# KiCad board Control Unit.kicad_pcb
title: Control Unit - CanSat 2023; date: 2023-01-18; company: Project SkyFall; note: David Haisman
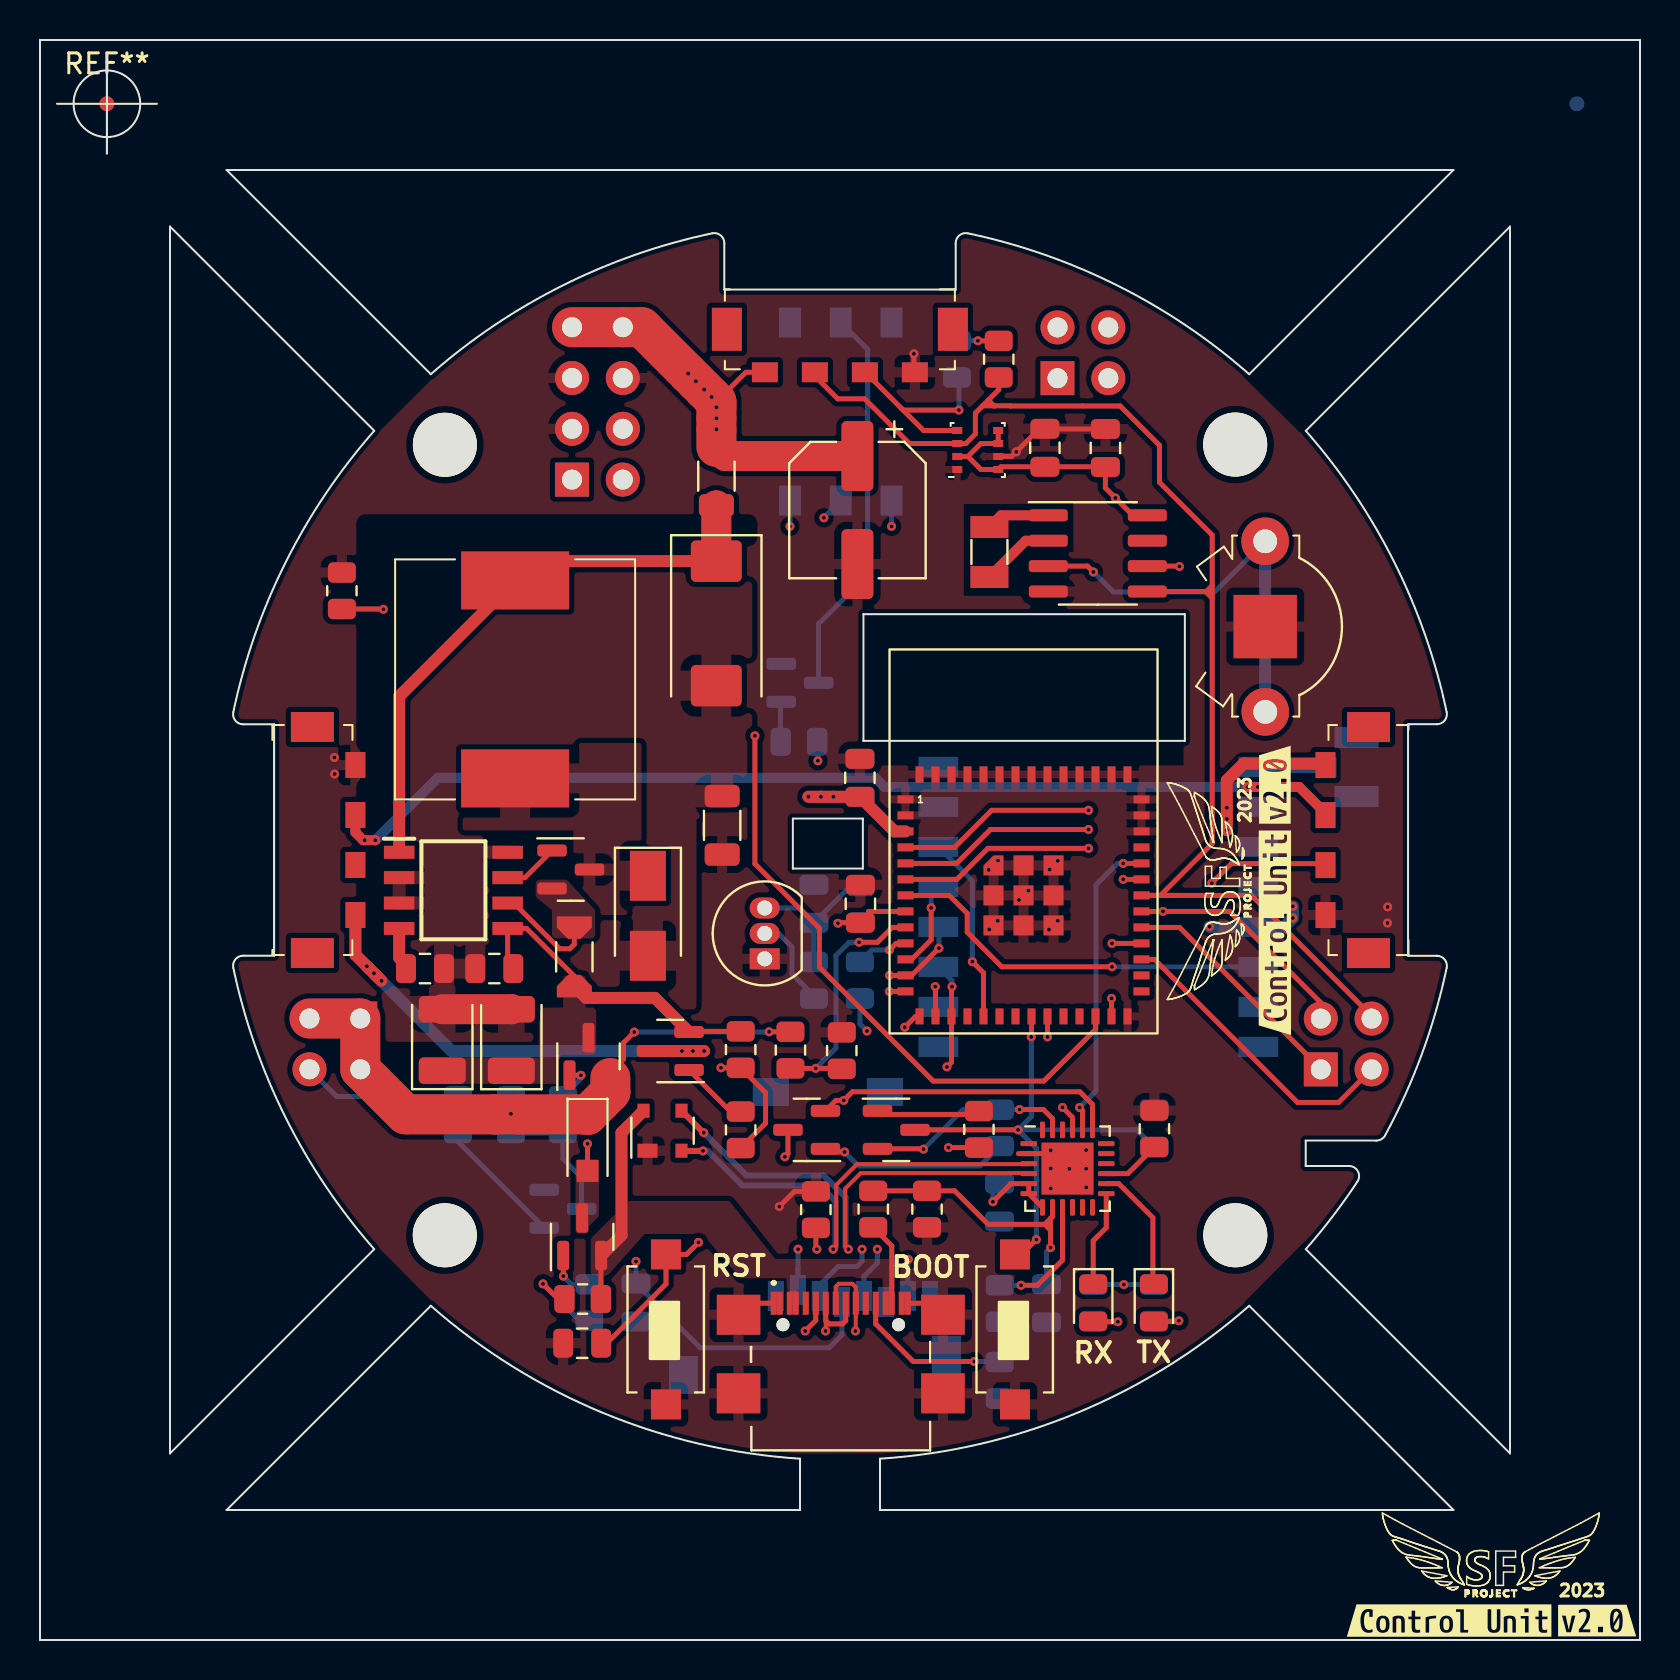
[diagram p0: board, top side]
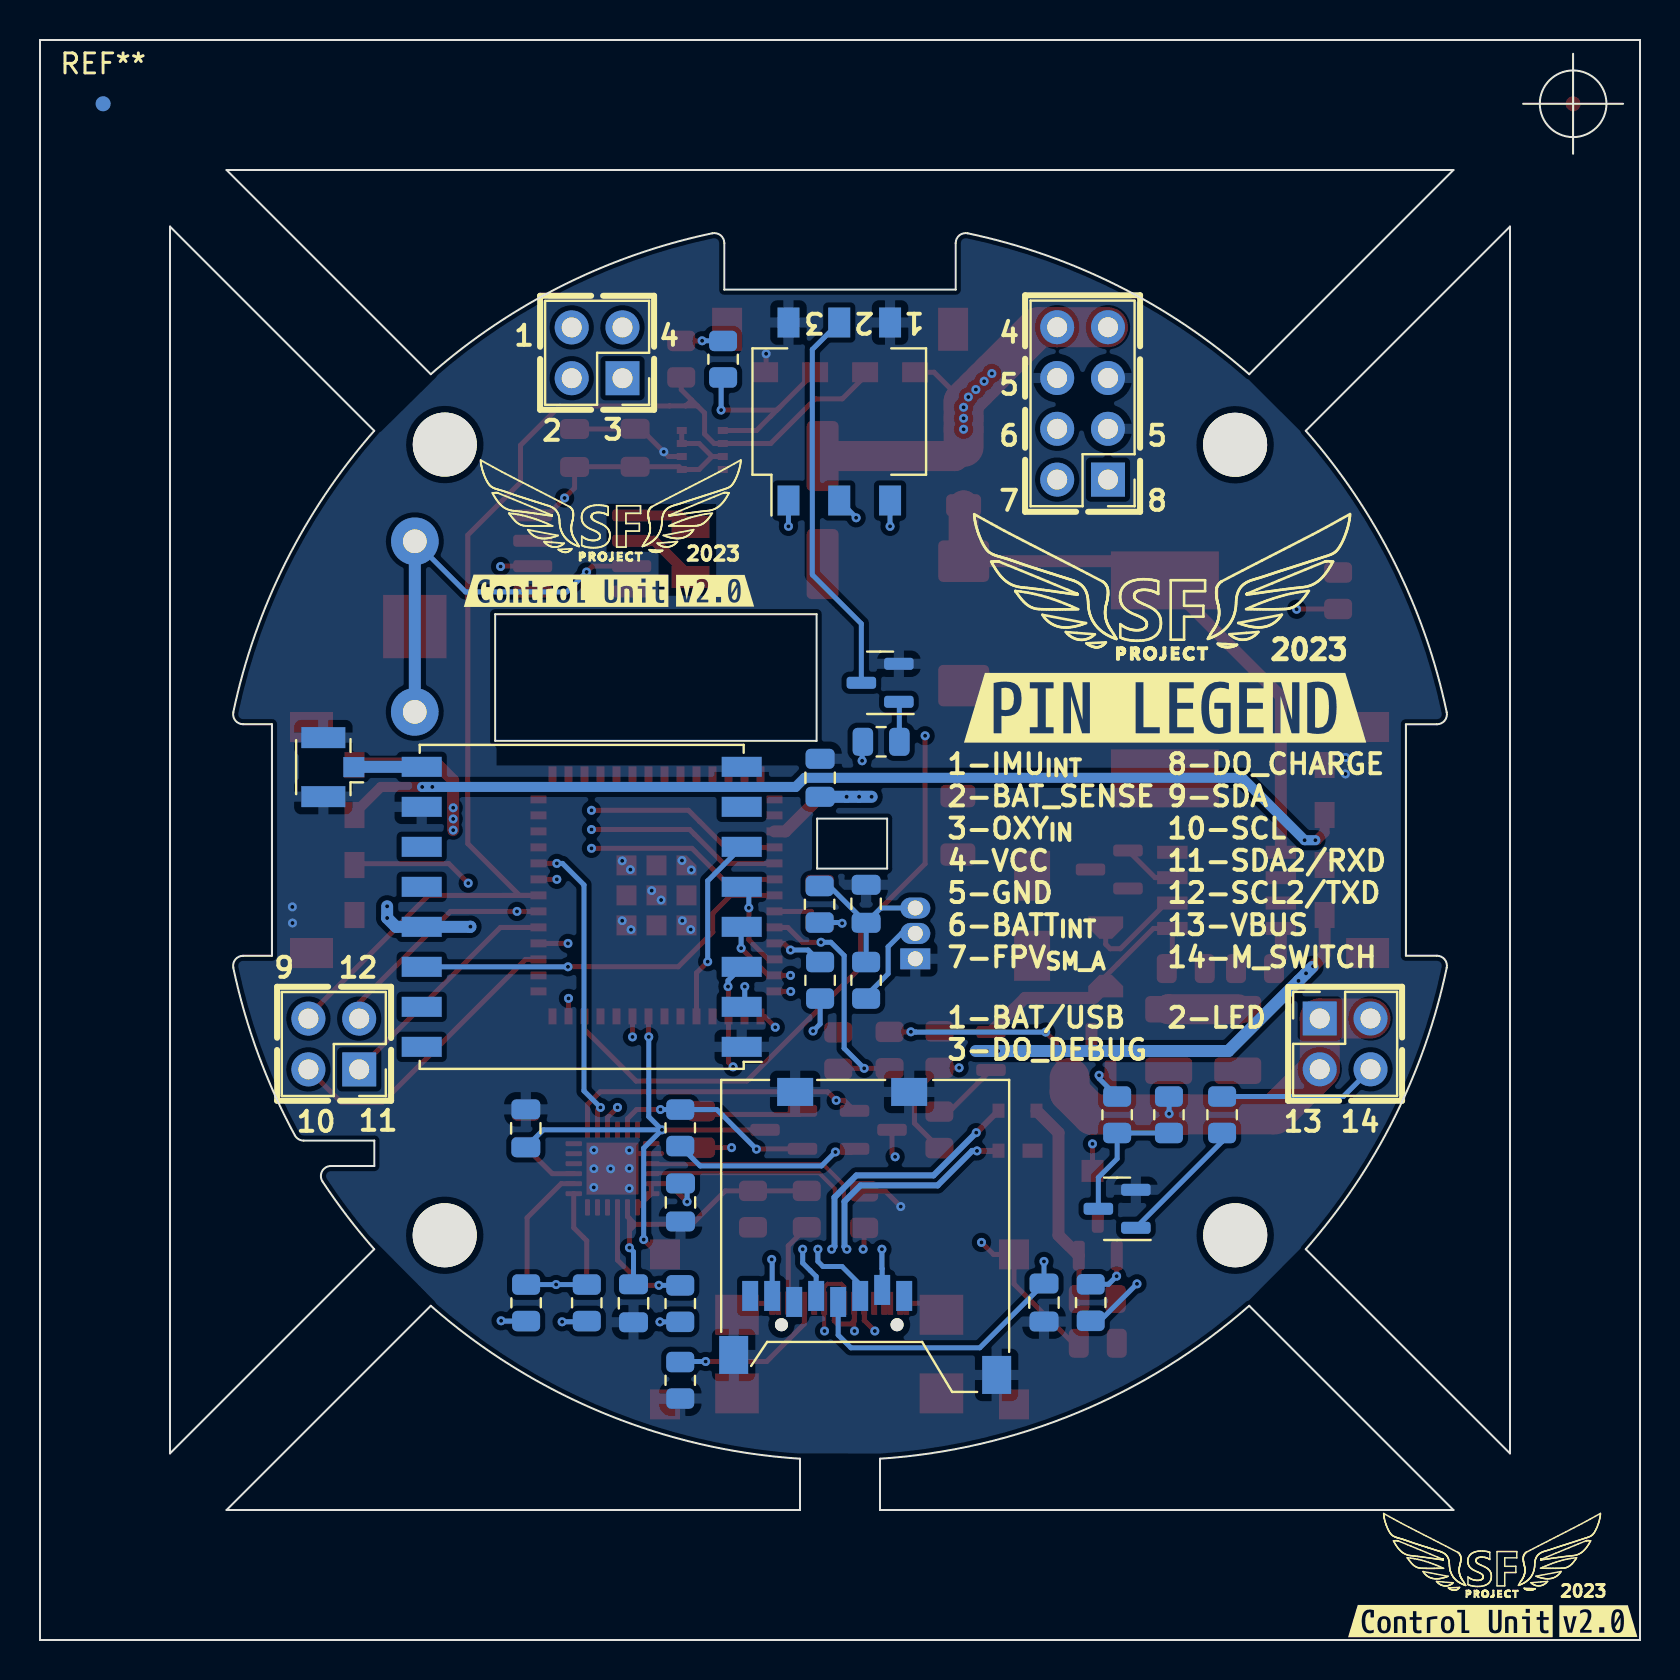
[diagram p1: board, bottom side, seen from below]

Outline 80 x 80 mm; copper layers: Top, In1.Cu, In2.Cu, Bottom. Coordinates in mm from the lower left corner of the outline.
Outline path: 0,80 80,80 80,0 0,0 0,80 ; 6.5,70.67 16.71,60.46 arc(12.28,53.88) 9.67,46.39 arc(9.77,45.97) 10.15,45.79 11.71,45.79 11.71,34.21 10.15,34.21 arc(9.77,34.03) 9.67,33.61 arc(12.28,26.12) 16.71,19.54 6.5,9.33 6.5,70.67 ; 9.33,73.5 70.67,73.5 60.46,63.29 arc(53.88,67.72) 46.39,70.33 arc(45.97,70.23) 45.79,69.85 45.79,67.52 34.21,67.52 34.21,69.85 arc(34.03,70.23) 33.61,70.33 arc(26.12,67.72) 19.54,63.29 9.33,73.5 ; 9.33,6.5 19.54,16.71 arc(28.14,11.36) 38,9.06 38,6.5 9.33,6.5 ; 37.64,41.07 41.14,41.07 41.14,38.57 37.64,38.57 37.64,41.07 ; 41.17,51.29 57.24,51.29 57.24,44.96 41.17,44.96 41.17,51.29 ; 42,6.5 42,9.06 arc(51.86,11.36) 60.46,16.71 70.67,6.5 42,6.5 ; 63.29,24.97 63.29,23.7 65.46,23.7 arc(65.9,23.44) 65.87,22.92 arc(64.64,21.19) 63.29,19.54 73.5,9.33 73.5,70.67 63.29,60.46 arc(67.72,53.88) 70.33,46.39 arc(70.23,45.97) 69.84,45.79 68.4,45.79 68.4,34.21 69.84,34.21 arc(70.23,34.03) 70.33,33.61 arc(69.1,29.31) 67.26,25.23 arc(67.07,25.04) 66.82,24.97 63.29,24.97
Stack: Top 0.035mm / dielectric 0.48mm FR4 er 4.5 / In1.Cu 0.035mm / dielectric 0.48mm FR4 er 4.5 / In2.Cu 0.035mm / dielectric 0.48mm FR4 er 4.5 / Bottom 0.035mm

## Placement (name value [footprint] x y rotation side)
AE401  Antenna_Shield  [U.FL_Hirose_U.FL-R-SMT-1_Vertical]  65.36 43.64 0 bottom
BT701  Backup battery  [2989]  61.26 50.67 270 top
C201  10uF  [C_0805_2012Metric]  47.98 21.88 270 bottom
C202  1uF  [C_0805_2012Metric]  50.32 16.84 270 bottom
C203  680uF  [CP_Elec_6.3x7.7]  40.87 56.5 270 top
C204  0.1uF  [C_0805_2012Metric]  55.71 25.58 270 bottom
C205  0.1uF  [C_0805_2012Metric]  27.11 14.84 0 top
C206  10uF  [C_0805_2012Metric]  40.99 43.11 90 top
C207  0.1uF  [C_0805_2012Metric]  40.99 43.11 90 bottom
C208  1uF  [C_0805_2012Metric]  41.02 36.81 90 top
C301  100nF  [C_0805_2012Metric]  53.27 59.6 90 top
C302  100nF  [C_0805_2012Metric]  50.24 59.61 90 top
C303  100nF  [C_0805_2012Metric]  38.69 36.81 90 bottom
C501  TPSB686K010R0600  [CP_EIA-3528-21_Kemet-B]  20.11 30 90 top
C502  TPSB686K010R0600  [CP_EIA-3528-21_Kemet-B]  23.57 30 90 top
C503  0.47uF  [C_0805_2012Metric]  22.71 33.57 180 top
C504  0.1uF  [C_0805_2012Metric]  19.25 33.57 0 top
C505  293D227X9010D2TE3  [CP_EIA-7343-31_Kemet-D]  33.82 50.83 270 top
C601  0.1uF  [C_0805_2012Metric]  29.8 16.87 90 bottom
D201  SBR3U40S1F-7  [D_SOD-123F]  27.38 24.85 270 top
D202  APT2012LSECK/J4-PRV  [LED_0805_2012Metric]  52.66 16.86 270 top
D203  APT2012LSECK/J4-PRV  [LED_0805_2012Metric]  55.69 16.86 270 top
D204  SP0503BAHT  [SOT-143]  31.13 25.46 90 top
D501  B330A  [D_SMA]  30.4 36.21 270 top
H201  MountingHole  [MountingHole_3.2mm_M3]  20.24 20.24 0 top
H202  MountingHole  [MountingHole_3.2mm_M3]  59.76 59.77 0 top
H203  MountingHole  [MountingHole_3.2mm_M3]  20.24 59.76 0 top
H204  MountingHole  [MountingHole_3.2mm_M3]  59.76 20.24 0 top
J101  Conn_02x04_Male  [PinHeader_2x04_P2.54mm_Vertical]  26.6 58.02 0 bottom
J102  Conn_02x02_Male  [PinHeader_2x02_P2.54mm_Vertical]  50.88 63.09 0 bottom
J103  Conn_02x02_Male  [PinHeader_2x02_P2.54mm_Vertical]  64.04 28.53 0 bottom
J104  Conn_02x02_Male  [PinHeader_2x02_P2.54mm_Vertical]  16.01 31.08 180 bottom
J105  -  [009155004541006]  13.62 40 270 top
J106  -  [009155004541006]  66.42 40 90 top
J107  -  [009155004541006]  39.99 65.54 180 top
J201  USB4110-GF-A  [USB4110GFA]  40.04 13.16 0 top
J601  Micro_SD_Card 823-046  [DS1139-05]  38.74 20.2 180 bottom
kibuzzard-63BEB0CF  G***  [kibuzzard-63BEB0CF]  70.46 0.97 0 top
kibuzzard-63BEB0CF#2  G***  [kibuzzard-63BEB0CF]  61.74 35.36 90 top
kibuzzard-63BEB0CF#3  G***  [kibuzzard-63BEB0CF]  53.69 52.46 180 bottom
kibuzzard-63BEB0CF#4  G***  [kibuzzard-63BEB0CF]  9.48 0.94 180 bottom
kibuzzard-63BEB9E1  G***  [kibuzzard-63BEB9E1]  23.74 46.61 180 bottom
kibuzzard-63BF2E93  G***  [kibuzzard-63BF2E93]  77.86 0.97 0 top
kibuzzard-63BF2EA1  G***  [kibuzzard-63BF2EA1]  2.08 0.94 180 bottom
kibuzzard-63BF2EAE  G***  [kibuzzard-63BF2EAE]  46.24 52.46 180 bottom
kibuzzard-63BF2EB7  G***  [kibuzzard-63BF2EB7]  61.74 42.76 90 top
L501  CDRH125NP-220MC  [CDRH125101MC]  23.76 48.03 180 top
Q201  SI2305CDS-T1-BE3  [SOT-23]  27.43 29.18 90 top
Q202  BC847  [SOT-23]  26.14 21.56 0 bottom
Q203  SI2305CDS-T1-BE3  [SOT-23]  27.11 20.16 90 top
Q204  BC847  [SOT-23]  37.99 47.86 0 bottom
Q205  BC847  [SOT-23]  38.34 25.51 180 top
Q206  BC847  [SOT-23]  42.81 25.51 0 top
Q207  SI2305CDS-T1-BE3  [SOT-23]  31.51 29.45 180 top
Q501  SI2305CDS-T1-BE3  [SOT-23]  26.54 38.52 0 top
R201  1k  [R_0805_2012Metric]  47.99 16.82 90 bottom
R202  22k1  [R_0805_2012Metric]  41.66 21.55 270 top
R203  100k  [R_0805_2012Metric]  23.55 26.26 270 bottom
R204  10k  [R_0805_2012Metric]  47.94 64.04 270 top
R205  10k  [R_0805_2012Metric]  45.84 64.04 270 bottom
R206  10k  [R_0805_2012Metric]  26.14 26.26 270 bottom
R207  47k5  [R_0805_2012Metric]  44.35 21.55 270 top
R208  27k  [R_0805_2012Metric]  37.52 29.5 90 top
R209  100k  [R_0805_2012Metric]  27.13 17.05 180 top
R210  10k  [R_0805_2012Metric]  27.46 16.87 90 bottom
R211  10k  [R_0805_2012Metric]  55.72 25.56 90 top
R212  47k  [R_0805_2012Metric]  40.09 29.47 90 top
R213  0R  [R_1206_3216Metric]  34.11 40.73 90 top
R214  100k  [R_0805_2012Metric]  20.89 26.26 270 bottom
R215  750R  [R_0805_2012Metric]  52.66 16.86 270 bottom
R216  750R  [R_0805_2012Metric]  55.69 16.86 270 bottom
R217  5k1  [R_0805_2012Metric]  15.09 52.46 90 top
R218  5k1  [R_0805_2012Metric]  47.99 12.99 270 bottom
R219  5k1  [R_0805_2012Metric]  38.79 21.52 90 top
R220  5k  [R_0805_2012Metric]  37.94 44.91 180 bottom
R221  100k  [R_0805_2012Metric]  35.03 29.52 270 top
R222  5k  [R_0805_2012Metric]  47.99 25.61 270 bottom
R223  10k  [R_0805_2012Metric]  35.03 25.51 270 top
R224  10k  [R_0805_2012Metric]  41.02 36.79 270 bottom
R225  5k  [R_0805_2012Metric]  46.95 25.53 90 top
R226  10k  [R_0805_2012Metric]  40.99 32.99 270 bottom
R301  4k7  [R_0805_2012Metric]  38.69 32.99 270 bottom
R501  PE1206FRE470R04L  [R_1206_Current]  26.72 34.15 90 top
R502  0R  [R_1206_3216Metric]  33.82 58.19 90 top
REF**  -  [Fiducial_0.75mm_Mask1.5mm]  3.34 76.81 0 top
REF**#2  -  [Fiducial_0.75mm_Mask1.5mm]  76.84 76.81 180 bottom
SW201  DS04-254-1-03BK-SMT  [SW_DIP_SPSTx03_Slide_Omron_A6S-310x_W8.9mm_P2.54mm]  40.04 61.42 90 bottom
SW202  LaskaKit tlačítko  [Tlačítko SMD LaskaKit]  48.67 15.48 90 top
SW203  LaskaKit tlačítko  [Tlačítko SMD LaskaKit]  31.22 15.48 90 top
U201  CP2102N-Axx-xQFN24  [QFN-24-1EP_4x4mm_P0.5mm_EP2.6x2.6mm]  51.38 23.57 0 top
U202  -  [ESP32-MINI-1]  49.18 37.23 0 top
U301  DS18B20  [TO-92_Inline]  36.24 34.06 90 top
U302  BME280  [Bosch_LGA-8_2.5x2.5mm_P0.65mm_ClockwisePinNumbering]  46.89 59.5 90 top
U401  RFM96W-433S2  [HOPERF_RFM9XW_SMD]  52.92 36.66 0 bottom
U501  MAX1626ESA+T  [SOIC127P600X175-8N]  20.67 37.48 0 top
U701  PT7C4339  [SOIC-8-1EP_3.9x4.9mm_P1.27mm_EP2.29x3mm]  52.89 54.33 0 top
Y701  ECS-.327-6-34B-C-TR  [ECX-31B]  47.47 54.4 90 top

## Library data of the parts
C501 C502 = -: Description: AVX Electrolytic Capacitor 68F 10V dc Electrolytic Solid +/-10% Tolerance TPS Series; Height: 2.1; Manufacturer_Name: AVX; Mouser Part Number: 581-TPSB686K010R0600; Mouser Price/Stock: https://www.mouser.com/Search/Refine.aspx?Keyword=581-TPSB686K010R0600
C505 = -: Description: Solid Tantalum Surface Mount Chip Capacitors TANTAMOUNT(TM), Molded Case, Standard Industrial Grade; Height: 3.1; Manufacturer_Name: Vishay; Mouser Part Number: 74-293D227X9010D2TE3; Mouser Price/Stock: https://www.mouser.co.uk/ProductDetail/Vishay-Sprague/293D227X9010D2TE3?qs=CH3Q5FKf4qDv8K%252BjTwpIww%3D%3D
D202 = -: Direction: RX
D203 = -: Direction: TX
D204 = -: Mouser: https://eu.mouser.com/ProductDetail/Littelfuse/SP0503BAHTG?qs=uD%2FdkN7XIa0NTYXwHdELYA%3D%3D
J601 = -: Shop: https://www.gme.cz/patice-pro-pametovou-kartu-slot-microsd-push-push
L501 = -: Description: Fixed Inductors 22uH 2.80A 0.028ohms; Height: 6; Manufacturer_Name: Sumida; Mouser Part Number: 851-CDRH125NP-220MC; Mouser Price/Stock: https://www.mouser.co.uk/ProductDetail/Sumida/CDRH125NP-220MC?qs=yEEOfDmvQDX7sNyZ0f3HJA%3D%3D
R218 R219 = -: Shop: https://cz.mouser.com/ProductDetail/Panasonic/ERJ-UP3J512V?qs=sGAEpiMZZMtlubZbdhIBINZyO39%252BOXIfV3FRTeBOQ5s%3D
SW201 = -: Shop: https://cz.mouser.com/ProductDetail/CUI-Devices/DS04-254-1-03BK-SMT?qs=wnTfsH77Xs6AM9RonXx4xg%3D%3D
SW202 SW203 = -: Shop: https://www.gme.cz/p-ts1107gs
U501 = -: Description: MAXIM INTEGRATED PRODUCTS - MAX1626ESA+T - DC/DC Controller, Buck (Step Down), 3 V to 16.5 V, 1 Output, 300kHz PWM Switching, NSOIC-8; EV_kit: https://datasheets.maximintegrated.com/en/ds/MAX1626EVKIT.pdf; Height: 1.75; Manufacturer_Name: Maxim Integrated; Mouser Part Number: 700-MAX1626ESAT; Mouser Price/Stock: https://www.mouser.co.uk/ProductDetail/Maxim-Integrated/MAX1626ESA%2bT/?qs=Mqkh4jHMT8ylHTywJFaQhw%3D%3D
U701 = -: Field4: RTC

## Footprints (pads in the part's own frame, mm; a bottom-side part is the same pattern mirrored in y, then rotated)
2989
  round 2.38 hole 1.19: 1(-4.265,-0.003) 1(4.265,0.003)
  rect 3.17x3.17 smd: 2(0,0)
009155004541006
  rect 1.3x1 smd: 1(-3.75,2.15) 2(-1.25,2.15) 3(1.25,2.15) 4(3.75,2.15)
  rect 1.5x2.15 smd: MP1(-5.65,0) MP2(5.65,0)
Bosch_LGA-8_2.5x2.5mm_P0.65mm_ClockwisePinNumbering
  rect 0.35x0.5 smd: 1(-0.975,1.025) 2(-0.325,1.025) 3(0.325,1.025) 4(0.975,1.025) 5(0.975,-1.025) 6(0.325,-1.025) 7(-0.325,-1.025) 8(-0.975,-1.025)
C_0805_2012Metric
  rrect 1x1.45 smd: 1(-0.95,0) 2(0.95,0)
CDRH125101MC
  rect 5.4x2.9 smd: 1(0,4.95) 2(0,-4.95)
CP_EIA-3528-21_Kemet-B
  rrect 1.325x2.35 smd: 1(-1.538,0) 2(1.538,0)
CP_EIA-7343-31_Kemet-D
  rrect 2.075x2.55 smd: 1(-3.112,0) 2(3.112,0)
CP_Elec_6.3x7.7
  rrect 3.5x1.6 smd: 1(-2.7,0) 2(2.7,0)
D_SMA
  rect 2.5x1.8 smd: 1(-2,0) 2(2,0)
D_SOD-123F
  rect 1.1x1.1 smd: 1(-1.4,0) 2(1.4,0)
DS1139-05
  rect 0.8x1.5 smd: 1(1.95,-3) 2(0.85,-2.7) 3(-0.25,-3) 4(-1.35,-3.3) 5(-2.45,-3) 6(-3.55,-3.3) 7(-4.65,-3) 8(-5.75,-3)
  rect 1.45x1.9 smd: 9(-6.575,-5.95) 9(6.575,-6.95)
  rect 1.8x1.4 smd: 9(-3.5,7.2) 9(2.2,7.2)
ECX-31B
  rect 1.1x1.9 smd: 1(-1.25,0) 2(1.25,0)
ESP32-MINI-1
  rect 0.8x0.4 smd: 1(-5.9,4.8) 2(-5.9,4) 3(-5.9,3.2) 4(-5.9,2.4) 5(-5.9,1.6) 6(-5.9,0.8) 7(-5.9,0) 8(-5.9,-0.8) 9(-5.9,-1.6) 10(-5.9,-2.4) 11(-5.9,-3.2) 12(-5.9,-4) 13(-5.9,-4.8) 28(5.9,-4.8) 29(5.9,-4) 30(5.9,-3.2) 31(5.9,-2.4) 32(5.9,-1.6) 33(5.9,-0.8) 34(5.9,0) 35(5.9,0.8) 36(5.9,1.6) 37(5.9,2.4) 38(5.9,3.2) 39(5.9,4) 40(5.9,4.8)
  rect 0.4x0.8 smd: 14(-5.2,-6.05) 15(-4.4,-6.05) 16(-3.6,-6.05) 17(-2.8,-6.05) 18(-2,-6.05) 19(-1.2,-6.05) 20(-0.4,-6.05) 21(0.4,-6.05) 22(1.2,-6.05) 23(2,-6.05) 24(2.8,-6.05) 25(3.6,-6.05) 26(4.4,-6.05) 27(5.2,-6.05) 41(5.2,6.05) 42(4.4,6.05) 43(3.6,6.05) 44(2.8,6.05) 45(2,6.05) 46(1.2,6.05) 47(0.4,6.05) 48(-0.4,6.05) 49(-1.2,6.05) 50(-2,6.05) 51(-2.8,6.05) 52(-3.6,6.05) 53(-4.4,6.05) 54(-5.2,6.05)
  rrect 1x1 smd: 55(-1.5,1.5)
  rect 1x1 smd: 55(-1.5,0) 55(-1.5,-1.5) 55(0,1.5) 55(0,0) 55(0,-1.5) 55(1.5,1.5) 55(1.5,0) 55(1.5,-1.5)
Fiducial_0.75mm_Mask1.5mm
  round 0.75 smd: (0,0)
HOPERF_RFM9XW_SMD
  rect 2x1 smd: 1(-8,7) 2(-8,5) 3(-8,3) 4(-8,1) 5(-8,-1) 6(-8,-3) 7(-8,-5) 8(-8,-7) 9(8,-7) 10(8,-5) 11(8,-3) 12(8,-1) 13(8,1) 14(8,3) 15(8,5) 16(8,7)
LED_0805_2012Metric
  rrect 0.975x1.4 smd: 1(-0.938,0) 2(0.938,0)
MountingHole_3.2mm_M3
  round 3.2 hole 3.2 unplated: (0,0)
PinHeader_2x02_P2.54mm_Vertical
  rect 1.7x1.7 hole 1: 1(0,0)
  oval 1.7x1.7 hole 1: 2(2.54,0) 3(0,-2.54) 4(2.54,-2.54)
PinHeader_2x04_P2.54mm_Vertical
  rect 1.7x1.7 hole 1: 1(0,0)
  oval 1.7x1.7 hole 1: 2(2.54,0) 3(0,-2.54) 4(2.54,-2.54) 5(0,-5.08) 6(2.54,-5.08) 7(0,-7.62) 8(2.54,-7.62)
QFN-24-1EP_4x4mm_P0.5mm_EP2.6x2.6mm
  rrect 1.05x1.05 smd: (-0.65,0.65) (-0.65,-0.65) (0.65,0.65) (0.65,-0.65)
  rrect 0.825x0.25 smd: 1(-1.938,1.25) 2(-1.938,0.75) 3(-1.938,0.25) 4(-1.938,-0.25) 5(-1.938,-0.75) 6(-1.938,-1.25) 13(1.938,-1.25) 14(1.938,-0.75) 15(1.938,-0.25) 16(1.938,0.25) 17(1.938,0.75) 18(1.938,1.25)
  rrect 0.25x0.825 smd: 7(-1.25,-1.938) 8(-0.75,-1.938) 9(-0.25,-1.938) 10(0.25,-1.938) 11(0.75,-1.938) 12(1.25,-1.938) 19(1.25,1.938) 20(0.75,1.938) 21(0.25,1.938) 22(-0.25,1.938) 23(-0.75,1.938) 24(-1.25,1.938)
  rect 2.6x2.6 smd: 25(0,0)
R_0805_2012Metric
  rrect 1.025x1.4 smd: 1(-0.912,0) 2(0.912,0)
R_1206_3216Metric
  rrect 1.125x1.75 smd: 1(-1.462,0) 2(1.462,0)
R_1206_Current
  rrect 1.125x1.75 smd: 1(-1.462,0) 2(1.462,0)
SOIC127P600X175-8N
  rect 1.525x0.65 smd: 1(-2.712,1.905) 2(-2.712,0.635) 3(-2.712,-0.635) 4(-2.712,-1.905) 5(2.712,-1.905) 6(2.712,-0.635) 7(2.712,0.635) 8(2.712,1.905)
SOIC-8-1EP_3.9x4.9mm_P1.27mm_EP2.29x3mm
  rrect 1.95x0.6 smd: 1(-2.475,1.905) 2(-2.475,0.635) 3(-2.475,-0.635) 4(-2.475,-1.905) 5(2.475,-1.905) 6(2.475,-0.635) 7(2.475,0.635) 8(2.475,1.905)
SOT-23
  rrect 1.475x0.6 smd: 1(-0.938,0.95) 2(-0.938,-0.95) 3(0.938,0)
SOT-143
  rect 0.7x1 smd: 1(-1,0.75)
  rect 0.7x0.6 smd: 2(-1,-0.95) 3(1,-0.95) 4(1,0.95)
SW_DIP_SPSTx03_Slide_Omron_A6S-310x_W8.9mm_P2.54mm
  rect 1.5x1.1 smd: 1(-4.45,2.54) 2(-4.45,0) 3(-4.45,-2.54) 4(4.45,-2.54) 5(4.45,0) 6(4.45,2.54)
Tlačítko SMD LaskaKit
  rect 1.5x1.5 smd: 1(-3.7,-0.075) 2(3.8,-0.075)
TO-92_Inline
  rect 1.05x1.5 hole 0.75: 1(0,0)
  oval 1.05x1.5 hole 0.75: 2(1.27,0) 3(2.54,0)
U.FL_Hirose_U.FL-R-SMT-1_Vertical
  rect 1.05x1 smd: 1(-1.05,0)
  rect 2.2x1.05 smd: 2(0.475,-1.475) 2(0.475,1.475)
USB4110GFA
  round 0.65 hole 0.65 unplated: (-2.89,2.603) (2.89,2.603)
  rect 0.3x1.15 smd: A1(-3.35,3.678) A4(-2.55,3.678) A5(-1.25,3.678) A6(-0.25,3.678) A7(0.25,3.678) A8(1.25,3.678) A9(2.55,3.678) A12(3.35,3.678) B1(3.05,3.678) B4(2.25,3.678) B5(1.75,3.678) B6(0.75,3.678) B7(-0.75,3.678) B8(-1.75,3.678) B9(-2.25,3.678) B12(-3.05,3.678)
  rect 2.18x2 smd: S1(-5.11,3.103) S1(-5.11,-0.827) S1(5.11,3.103) S1(5.11,-0.827)

## Nets
/Control Unit/3v3 power supply1/GND_{3V3}: C501.2 C502.2 C503.2 C504.2 C505.2 D501.2 R213.2 U501.2 U501.3 U501.8
/Control Unit/GND: AE401.2 BT701.2 C201.2 C202.2 C203.2 C204.1 C205.1 C206.2 C207.2 C208.2 C301.2 C302.2 C303.2 C601.1 D204.1 J101.3 J101.5 J101.6 J105.1 J106.1 J107.1 J201.A1 J201.A12 J201.B1 J201.B12 J201.S1 J601.6 J601.9 Q202.2 Q204.2 R207.2 R211.2 R212.2 R213.1 R217.2 R218.2 R219.2 SW201.4 SW201.6 SW202.1 SW203.1 U201.2 U201.25 U202.1 U202.2 U202.27 U202.38 U202.39 U202.40 U202.41 U202.42 U202.43 U202.44 U202.45 U202.46 U202.47 U202.48 U202.49 U202.50 U202.51 U202.52 U202.53 U202.54 U202.55 U301.1 U302.1 U302.7 U401.1 U401.8 U401.10 U701.4
/Control Unit/VBUS: D201.1 J104.1 J104.2 J104.3 Q201.2 R203.1 R208.2
/Control Unit/VCC: C201.1 C203.1 C206.1 C207.1 C301.1 C302.1 C303.1 C601.2 J101.7 J101.8 J102.3 J107.4 J601.4 R201.1 R204.1 R205.1 R215.1 R216.1 R224.1 R226.2 R301.1 R502.2 U201.5 U201.6 U201.7 U202.3 U301.3 U302.2 U302.5 U302.6 U302.8 U401.13 U701.8
/Control Unit/VCC_5V: C501.1 C502.1 C503.1 Q201.3 Q207.2 R221.1 R501.1 U501.5
/Control Unit/VCC_{LEDPAN}: J105.4 J106.4 Q207.3
/Control Unit/3v3 power supply1/CS: Q501.2 R501.2 U501.6
/Control Unit/3v3 power supply1/L_MOSSFET: D501.1 L501.1 Q501.3
/Control Unit/BAT-USB: R209.2 R210.1 SW201.3
/Control Unit/BAT_SENSE: J102.2 U202.5
/Control Unit/BATT_INT: J101.4 U202.13
/Control Unit/CS_{SD}: J601.2 U202.14
/Control Unit/D+: D204.2 J201.A6 J201.B6 U201.3
/Control Unit/D-: D204.3 J201.A7 J201.B7 U201.4
/Control Unit/DIO0_{LORA}: U202.7 U401.14
/Control Unit/DO_DEBUG: R226.1 SW201.1 U202.10
/Control Unit/DQ: R301.2 U202.22 U301.2
/Control Unit/ESP_RST: C205.2 C208.1 Q205.3 R224.2 SW203.2 U202.8
/Control Unit/FPV_{SM_A}: J101.2 U202.25
/Control Unit/IMU_{INT}: J102.4 U202.6
/Control Unit/IO0: C204.2 Q206.3 SW202.2 U202.21
/Control Unit/IS_USB: D204.4 J201.A4 J201.A9 J201.B4 J201.B9 Q203.2 R202.2 R209.1
/Control Unit/IS_USB_CHARGE: D201.2 J101.1 Q203.3 R217.1
/Control Unit/LED_DATA: J106.2 U202.26
/Control Unit/LEDPAN_TRANS_{C}: Q204.3 SW201.5
/Control Unit/M_SWITCH: J104.4 R214.1
/Control Unit/MISO: J601.7 U202.15 U401.2
/Control Unit/MOSI: J601.3 U202.16 U401.3
/Control Unit/NSS_{LORA}: U202.11 U401.5
/Control Unit/OXY_{IN}: J102.1 U202.4
/Control Unit/POWER_INT: R208.1 R212.1 U202.9
/Control Unit/RESET_{LORA}: U202.18 U401.6
/Control Unit/RXD: U201.20 U202.36
/Control Unit/SCK: J601.5 U202.12 U401.4
/Control Unit/SCL: J103.3 J107.2 R205.2 U202.33 U302.4 U701.6
/Control Unit/SCL_{2}/TXD: J103.2 U202.30
/Control Unit/SDA: J103.4 J107.3 R204.2 U202.34 U302.3 U701.5
/Control Unit/SDA_{2}/RXD: J103.1 U202.32
/Control Unit/SW_LEDPAN: R221.2 R223.2 SW201.2
/Control Unit/TRANS_LEDPAN: R220.1 U202.31
/Control Unit/TXD: U201.21 U202.35
/Control Unit/~{DTR}: Q206.2 R222.1 U201.23
/Control Unit/~{RTS}: Q205.2 R225.1 U201.19
Net-(AE401-Pad1): AE401.1 U401.9
Net-(BT701-Pad1): BT701.1 U701.3
Net-(C202-Pad1): C202.1 R202.1 R207.1 U201.8
Net-(C504-Pad1): C504.1 U501.4
Net-(C505-Pad1): C505.1 L501.2 R502.1 U501.1
Net-(D202-Pad1): D202.1 U201.13
Net-(D202-Pad2): D202.2 R215.2
Net-(D203-Pad1): D203.1 U201.14
Net-(D203-Pad2): D203.2 R216.2
Net-(J105-Pad2): J105.2 J106.3
Net-(J201-PadA5): J201.A5 R219.1
Net-(J201-PadB5): J201.B5 R218.1
Net-(Q201-Pad1): Q201.1 R206.1
Net-(Q202-Pad1): Q202.1 R214.2
Net-(Q202-Pad3): Q202.3 R203.2 R206.2
Net-(Q203-Pad1): Q203.1 R210.2
Net-(Q204-Pad1): Q204.1 R220.2
Net-(Q205-Pad1): Q205.1 R222.2
Net-(Q206-Pad1): Q206.1 R225.2
Net-(Q207-Pad1): Q207.1 R223.1
Net-(Q501-Pad1): Q501.1 U501.7
Net-(R201-Pad2): R201.2 U201.9
Net-(R211-Pad1): R211.1 U201.15
Net-(U701-Pad1): U701.1 Y701.2
Net-(U701-Pad2): U701.2 Y701.1

Pads without a net: J105 3 MP1 MP2; J106 MP1 MP2; J107 MP1 MP2; J201 A8 B8; J601 1 8; U201 1 10 11 12 16 17 18 22 24; U202 17 19 20 23 24 28 29 37; U401 7 11 12 15 16; U701 7

## Via types
v1: diameter 0.45, hole 0.2, Top to Bottom, 127 vias

## Routing (per net, layer and track width the routed paths; a pad name or vN(x,y) marks a point on that pad's centre or on a via; arc(x,y) is an arc through that point)
/Control Unit/3v3 power supply1/GND_{3V3}: length 3.5
  Top w1.5: C501.2 C502.2
/Control Unit/GND: length 14.5
  Top w0.25: J201.A1 35.5,16.84 J201.S1 ; U302.7 48.58,59.18 v1(48.81,59.41) 49.96,60.56 C302.2 ; v1(36.96,21.67) 37.72,22.43 R219.2 ; v1(43.69,64.31) 43.69,63.44 J107.1 ; 50.11,24.32 48.92,24.32 ; C301.2 49.95,60.55 ; J201.S1 44.57,16.84 J201.A12
  vias: v1(14.72,44.13) v1(14.73,43.3) v1(47.44,38.5) v1(47.46,35.52) v1(47.9,38.97) v1(47.89,35.96) v1(48.95,37) v1(49.42,37.47) v1(50.48,38.52) v1(50.45,35.52) v1(50.54,24.48) v1(50.54,23.58) v1(50.54,22.58) v1(50.89,38.96) v1(50.89,35.96) v1(51.47,23.56) v1(52.31,24.49) v1(52.31,23.56) v1(52.31,22.63) v1(67.38,36.65) v1(67.38,35.85)
/Control Unit/VBUS: length 30.9
  Top w0.25: Q201.2 29.18,29.04 29.18,29.86 v1(29.71,30.4) ; R208.2 37.52,30.41 v1(36.46,30.41)
  Top w2: 28.52,28.1 28.52,27.4 D201.1 27.35,26.28 18.43,26.28 ; J104.2 J104.1 J104.3 18.27,26.28
  Bottom w0.25: v1(29.71,30.4) 36.44,30.4 v1(36.46,30.41) ; v1(23.54,26.31) 23.54,27.17 R203.1
/Control Unit/VCC: length 83.3
  Top w0.25: R204.1 46.9,64.95 v1(46.89,64.96) ; J107.4 35.3,63.39 33.82,61.91 ; U302.5 U302.6 47.05,59.83 46.4,59.18 ; 46.4,59.18 U302.2 ; 46.4,59.18 47.05,58.53 U302.8 48.05,58.66 C302.1 53.26,58.66 C301.1 53.27,57.6 v1(53.77,57.1) 54.64,56.23 U701.8 ; v1(47.65,21.91) 48.55,22.82 U201.5 U201.6 U201.7
  Top w0.6: v1(38.42,42.16) v1(39.04,42.16) C206.1 42.73,40.43 U202.3
  Top w1.5: R502.2 34.28,59.2 C203.1
  Top w2: R502.2 v1(33.82,60.54) v1(33.82,61.09) v1(33.82,61.64) 33.82,61.91 v1(33.58,62.15) v1(33.21,62.52) v1(32.79,62.94) v1(32.41,63.32) 30.09,65.64 J101.8 J101.7
  Bottom w0.25: v1(47.65,21.91) 47.65,22.5 C201.1 ; R224.1 40.53,37.7 C303.1 ; v1(41.35,30.45) 40.99,30.8 R226.2 ; v1(29.8,18.93) C601.2 33.01,14.61 39.45,14.61 40.09,15.25 J601.4 ; R216.1 v1(54.19,17.77) R215.1 ; U301.3 37.96,36.6 C303.1 ; R301.1 C303.1 ; R205.1 45.85,64.96 v1(46.89,64.96) ; R201.1 47.99,15.91 v1(49,15.91)
  Bottom w0.6: v1(62.64,36.68) v1(62.64,36.1) 62.2,35.66 U401.13 58.49,35.66 v1(58.48,35.67) ; C206.1 v1(39.67,42.16) v1(39.04,42.16) v1(38.42,42.16)
/Control Unit/VCC_5V: length 16.2
  Top w0.25: R501.1 26.72,33.19 24.33,35.58 U501.5 23.38,33.85 C503.1 ; Q207.2 32.48,30.43 R221.1
  Top w0.6: Q207.2 30.75,32.1 27.3,32.1 R501.1
/Control Unit/VCC_{LEDPAN}: length 72
  Top w0.6: v1(33.21,29.45) v1(32.64,29.45) v1(32.09,29.45) Q207.3 ; v1(59.34,40.49) v1(59.34,41.05) v1(59.34,41.61) 59.34,42.98 60.18,43.82 64.2,43.82 J106.4 ; 17.06,32.97 v1(16.35,33.68) 15.77,34.26 J105.4
  In1.Cu w0.6: v1(59.34,41.61) v1(59.34,40.49) 59.34,32.24 54.84,27.74 38.41,27.74 36.7,29.45 v1(33.21,29.45) v1(32.64,29.45) v1(32.09,29.45)
  Bottom w0.6: 16.38,33.65 v1(16.7,33.33) v1(17.07,32.96) 20.58,29.45 v1(32.09,29.45) v1(32.64,29.45) v1(33.21,29.45)
/Control Unit/3v3 power supply1/CS: length 5.2
  Top w0.25: R501.2 26.72,34.79 26.49,34.56 25.98,34.56 23.69,36.85 U501.6
/Control Unit/BAT-USB: length 48.7
  Top w0.25: v1(25.15,17.81) 25.91,17.05 R209.2
  In2.Cu w0.25: v1(25.15,17.81) 25.15,21.19 31.5,27.55 31.5,38.72 37.5,44.71 v1(37.5,55.68)
  Bottom w0.25: v1(25.15,17.81) 27,15.96 R210.1 ; v1(37.5,55.68) SW201.3
/Control Unit/BAT_SENSE: length 39.3
  Top w0.25: U202.5 45.83,38.83 47.52,40.52 v1(52.43,40.52)
  In2.Cu w0.25: v1(52.43,40.52) 56.22,40.52 58.56,42.86 58.56,54.46 53.42,59.6 J102.2
/Control Unit/BATT_INT: length 36.8
  Top w0.25: v1(42.46,32.43) 42.47,32.43 U202.13
  In1.Cu w0.25: J101.4 30.6,60.56 36.72,54.44 36.72,38.41 38.12,37.01 38.12,34.28 39.98,32.43 v1(42.46,32.43)
/Control Unit/CS_{SD}: length 16.3
  Top w0.25: U202.14 43.78,31.18 v1(43.24,30.64)
  In2.Cu w0.25: v1(43.24,30.64) 43.24,29.06 37.9,23.73 v1(37.9,19.54)
  Bottom w0.25: J601.2 37.89,18.56 37.9,18.57 v1(37.9,19.54)
/Control Unit/D+: length 33.1
  Top w0.2: 39.79,16.97 39.79,17.66 39.94,17.81 40.62,17.81 40.79,17.65 40.79,15.46 v1(40.77,15.45) ; U201.3 49.41,23.79 40.85,23.79 39.81,22.76 39.81,19.69 v1(39.66,19.54)
  Top w0.3: v1(33.15,24.45) 32.09,24.45 D204.2
  In1.Cu w0.2: v1(40.77,15.45) 39.66,16.57 v1(39.66,19.54)
  Bottom w0.3: v1(33.15,24.45) 33.39,24.45 35.12,22.73 38.97,22.73 39.78,21.93 39.78,19.66 v1(39.66,19.54)
/Control Unit/D-: length 34.2
  Top w0.2: v1(39.28,15.45) 39.29,15.46 39.29,16.97 ; U201.4 49.41,23.34 41.04,23.34 40.26,22.57 40.26,19.69 v1(40.42,19.54)
  Top w0.25: J201.B7 39.29,15.96 39.45,15.8 40.13,15.8 40.29,15.96 J201.A7
  Top w0.3: 33.15,25.39 D204.3
  In2.Cu w0.2: v1(40.42,19.54) 40.42,16.59 v1(39.28,15.45)
  Bottom w0.3: v1(40.42,19.54) 40.28,19.68 40.28,22.13 39.18,23.23 35.33,23.23 v1(33.19,25.37)
/Control Unit/DIO0_{LORA}: length 19.7
  Top w0.25: v1(53.6,33.66) 48.09,33.66 46.36,35.39 46.36,36.33 45.46,37.23 U202.7
  Bottom w0.25: U401.14 53.6,33.66 v1(53.6,33.66)
/Control Unit/DO_DEBUG: length 26.6
  Top w0.25: U202.10 42.81,34.83 v1(42.48,34.5)
  In2.Cu w0.25: v1(42.58,55.68) 40.77,53.88 40.77,43.29 42.48,41.59 v1(42.48,34.5)
  Bottom w0.25: v1(42.48,34.5) 41.59,34.5 R226.1 ; v1(42.58,55.68) SW201.1
/Control Unit/DQ: length 23
  Top w0.25: v1(50.38,30.15) U202.22
  In1.Cu w0.25: U301.2 36.89,35.33 37.68,34.54 37.68,33.51 39.63,31.55 49.64,31.55 50.38,30.82 v1(50.38,30.15)
  Bottom w0.25: R301.2 38.69,32.21 37.59,33.31 37.59,34.66 36.93,35.33 U301.2
/Control Unit/ESP_RST: length 32.2
  Top w0.25: v1(39.89,35.84) 39.92,35.86 C208.1 ; U202.8 41.44,36.43 41.43,36.42 ; C205.2 28.34,14.84 31.3,17.8 SW203.2 32.33,19.28 v1(32.93,19.88) ; Q205.3 37.4,24.31 v1(37.24,24.16)
  In1.Cu w0.25: v1(37.24,24.16) 37.21,24.16 v1(32.93,19.88)
  In2.Cu w0.25: v1(37.24,24.16) 38.03,24.95 38.03,33.97 v1(39.89,35.84)
  Bottom w0.25: v1(39.89,35.84) 39.93,35.87 R224.2
/Control Unit/FPV_{SM_A}: length 48.4
  Top w0.25: v1(35.74,45.21) 35.74,38.81 38.97,35.59 38.97,33.63 44.66,27.95 50.19,27.95 52.78,30.53 U202.25
  In2.Cu w0.25: v1(35.74,45.21) 35.74,54.91 32.64,58.02 J101.2
/Control Unit/IMU_{INT}: length 43.7
  Top w0.25: v1(52.43,39.58) 47.4,39.58 45.84,38.03 U202.6
  In2.Cu w0.25: J102.4 54.3,65.63 54.94,64.99 54.94,59.11 59.13,54.93 59.13,42.56 56.15,39.58 v1(52.43,39.58)
/Control Unit/IO0: length 25.5
  Top w0.25: U202.21 49.58,30.17 v1(49.56,30.16) ; v1(49.82,20.02) 49.07,19.28 SW202.2 ; v1(48.9,25.51) Q206.3
  Bottom w0.25: v1(49.56,30.16) 49.56,26.17 v1(48.9,25.51) ; v1(48.9,25.51) 49.82,24.59 v1(49.82,20.02) ; v1(48.9,25.51) 54.84,25.51 C204.2
/Control Unit/IS_USB: length 14.5
  Top w0.25: J201.A9 42.59,19.71 R202.2 ; R209.1 28.05,19.21 Q203.2
  Top w0.6: Q203.2 29.08,20.24 29.08,25.36 D204.4
/Control Unit/IS_USB_CHARGE: length 50.4
  Top w0.25: 27.38,23.45 v1(27.38,24.81) ; v1(17.17,51.54) 17.16,51.55 R217.1
  In1.Cu w0.25: J101.1 23.68,58.02 17.19,51.54 v1(17.17,51.54) 13.64,48.01 13.64,37.56 19.78,31.43 21.52,31.43 27.38,25.57 v1(27.38,24.81)
/Control Unit/LED_DATA: length 14.8
  Top w0.25: 58.6,37.85 59.56,38.82 64.2,38.82 J106.2 ; v1(53.58,32.08) U202.26
  In1.Cu w0.25: v1(53.58,32.08) 53.58,32.83 v1(58.59,37.84)
/Control Unit/LEDPAN_TRANS_{C}: length 19.6
  Bottom w0.25: Q204.3 38.93,50.81 41.38,53.26 41.38,64.53 SW201.5
/Control Unit/M_SWITCH: length 8
  Bottom w0.25: R214.1 14.84,27.17 J104.4
/Control Unit/MISO: length 20
  Top w0.25: v1(44.76,32.67) 44.78,32.66 U202.15
  In2.Cu w0.25: v1(43.42,19.03) 43.42,25.02 46.44,28.05 46.44,30.99 v1(44.76,32.67)
  Bottom w0.25: U401.2 44.76,31.81 v1(44.76,32.67) ; v1(43.42,19.03) 43.39,19.01 J601.7
/Control Unit/MOSI: length 20
  Top w0.25: v1(45.6,32.67) 45.58,32.65 U202.16 45.58,28.89 v1(45.35,28.66)
  In2.Cu w0.25: v1(45.35,28.66) 45.34,28.66 41.1,24.42 v1(41.1,19.54)
  Bottom w0.25: v1(45.6,32.67) 45.6,32.97 U401.3 ; v1(41.1,19.54) 41.1,18.93 40.85,18.67 39.9,18.67 38.99,17.77 J601.3
/Control Unit/NSS_{LORA}: length 4.5
  Top w0.25: v1(44.56,36.61) 44.56,35.01 43.58,34.03 U202.11
  Bottom w0.25: U401.5 44.56,37.3 v1(44.56,36.61)
/Control Unit/OXY_{IN}: length 40.3
  Top w0.25: v1(52.43,41.48) 47.58,41.48 45.73,39.63 U202.4
  In2.Cu w0.25: J102.1 50.88,61.11 58.02,53.96 58.02,43.23 57.31,42.52 ; v1(52.43,41.48) 56.28,41.48 57.31,42.52 ; 57.31,42.52 56.43,41.63
/Control Unit/POWER_INT: length 12.7
  Top w0.25: R208.1 v1(38.79,28.58) 40.06,28.58 R212.1 ; U202.9 42.61,35.63 41.87,34.89 v1(40.95,34.89)
  Bottom w0.25: v1(40.95,34.89) 40.46,34.89 39.79,34.22 39.79,29.59 v1(38.79,28.58)
/Control Unit/RESET_{LORA}: length 9.4
  Top w0.25: U202.18 47.18,33.36 v1(46.62,33.91)
  Bottom w0.25: v1(46.62,33.91) 46.62,37.96 U401.6
/Control Unit/RXD: length 15.4
  Top w0.25: U202.36 v1(54.16,38.83) ; v1(51.98,26.63) 52.13,26.48 U201.20
  Bottom w0.25: v1(51.98,26.63) 51.98,26.63 52.8,27.45 52.8,37.75 53.88,38.83 v1(54.16,38.83)
/Control Unit/SCK: length 23.6
  Top w0.25: v1(44.94,34.59) 43.58,33.23 U202.12 v1(42.48,33.23)
  In2.Cu w0.25: v1(42.48,33.23) 42.51,33.23 45.99,29.75 45.99,28.23 41.87,24.11 v1(41.87,19.54)
  Bottom w0.25: v1(41.87,19.54) 41.87,18.85 41.19,18.18 J601.5 ; U401.4 44.94,35.63 v1(44.94,34.59)
/Control Unit/SCL: length 60.5
  Top w0.25: J107.2 41.26,63.39 43.06,61.59 ; v1(56.97,53.68) 56.95,53.69 U701.6 ; J103.3 64.04,31.86 59.48,36.43 v1(56.15,36.43) U202.33 ; 43.06,61.59 43.16,61.5 v1(45.95,61.5) ; 43.06,61.59 44.18,60.48 U302.4
  In1.Cu w0.25: 58.38,53.42 58.38,41.8 56.15,39.58 v1(56.15,36.43) ; 58.38,53.42 58.38,53.68 ; 58.38,53.42 58.12,53.68 58.1,53.68 ; 58.38,53.9 58.38,55.12 52,61.5 v1(45.95,61.5) ; 58.38,53.9 58.31,53.9 58.1,53.68 ; 58.38,53.9 58.38,53.68 ; 58.1,53.68 v1(56.97,53.68) ; 58.1,53.68 58.37,53.68 58.38,53.68
  Bottom w0.25: v1(45.95,61.5) 45.95,63.03 R205.2
/Control Unit/SCL_{2}/TXD: length 15.2
  Top w0.25: U202.30 55.73,34.03 62.88,26.88 64.93,26.88 J103.2
/Control Unit/SDA: length 68.5
  Top w0.25: 47.73,61.71 47.7,61.71 47.42,61.99 ; 47.73,61.71 47.13,61.71 ; 47.73,61.71 48.52,61.71 48.52,61.7 54.01,61.7 55.98,59.73 55.98,57.88 58.61,55.25 58.61,52.72 ; 58.61,52.09 58.28,52.42 58.28,52.42 ; 58.61,52.09 58.61,52.41 58.6,52.42 ; 58.61,52.09 58.61,39.82 56.02,37.23 55.6,37.23 ; 55.6,37.23 60.58,37.23 62.38,35.43 62.38,35.41 66.58,31.2 J103.4 ; 55.6,37.23 U202.34 56.9,37.23 ; R204.2 47.94,62.52 47.42,61.99 ; 58.31,52.42 58.61,52.72 ; 58.31,52.42 U701.5 ; 58.31,52.42 58.28,52.42 ; 58.61,52.72 58.61,52.44 58.6,52.42 ; 47.42,61.99 47.13,61.71 ; 58.6,52.42 58.28,52.42 ; 47.13,61.71 46.77,61.35 46.77,60.3 46.3,59.83 U302.3 43.46,59.83 41.23,62.06 39.88,62.06 38.74,63.2 J107.3
/Control Unit/SDA_{2}/RXD: length 11.9
  Top w0.25: J103.1 64.04,28.56 56.98,35.63 U202.32
/Control Unit/SW_LEDPAN: length 37
  Top w0.25: R223.2 36.28,25.84 36.28,27.36 R221.2 34.05,28.61 v1(34.04,28.61)
  In2.Cu w0.25: v1(39.19,56.11) 38.99,55.91 38.99,44.86 33.89,39.76 33.89,28.76 v1(34.04,28.61)
  Bottom w0.25: SW201.2 39.19,56.13 v1(39.19,56.11)
/Control Unit/TRANS_LEDPAN: length 22.4
  Top w0.25: v1(53.6,34.83) U202.31
  In1.Cu w0.25: v1(38.89,43.96) 42.88,39.98 42.88,37.47 45.52,34.83 v1(53.6,34.83)
  Bottom w0.25: v1(38.89,43.96) 38.89,44.87 R220.1
/Control Unit/TXD: length 15.1
  Top w0.25: U201.21 51.63,26.13 v1(51.13,26.63) ; v1(54.16,38.03) 54.16,38.03 U202.35
  In2.Cu w0.25: v1(51.13,26.63) 52.8,28.3 52.8,36.95 53.88,38.03 v1(54.16,38.03)
/Control Unit/~{DTR}: length 12
  Top w0.25: v1(44.18,24.54) 44.16,24.56 Q206.2 ; v1(48.98,26.52) 50.17,26.52 50.63,26.07 U201.23
  Bottom w0.25: v1(48.98,26.52) 48.98,26.52 R222.1 ; R222.1 46.16,26.52 v1(44.18,24.54) ; R222.1 46.36,26.52
/Control Unit/~{RTS}: length 23
  Top w0.25: v1(45.42,24.62) 45.42,24.62 R225.1 ; U201.19 52.63,26.78 51.99,27.41 40.62,27.41 v1(40.19,26.98) 39.8,26.98 Q205.2
  In1.Cu w0.25: v1(45.42,24.62) 43.06,26.98 v1(40.19,26.98)
Net-(AE401-Pad1): length 3.4
  Bottom w0.6: AE401.1 64.29,43.66 U401.9
Net-(BT701-Pad1): length 21
  Top w0.25: v1(52.67,53.4) 52.38,53.69 U701.3
  Bottom w0.25: BT701.1 58.72,52.4 53.67,52.4 v1(52.67,53.4)
  Bottom w0.6: BT701.1 61.26,46.41 BT701.1
Net-(C202-Pad1): length 14.2
  Top w0.25: 50.23,20.78 47.41,20.78 45.73,22.46 R207.1 R202.1 ; 50.23,20.78 50.53,20.49 ; 50.23,20.78 50.63,21.17 ; 50.63,21.17 50.53,21.07 50.53,20.49 ; 50.63,21.17 U201.8 ; v1(50.53,19.61) 50.53,20.49
  Bottom w0.25: v1(50.53,19.61) 50.32,19.41 C202.1
Net-(C504-Pad1): length 2.2
  Top w0.6: 18.5,33.57 17.96,34.12 U501.4
Net-(C505-Pad1): length 29.3
  Top w0.6: C505.1 24.72,53.94 L501.2 17.96,47.18 U501.1
  Top w1.5: R502.1 33.82,56.72 33.82,53.93
Net-(D202-Pad1): length 4.8
  Top w0.25: D202.1 52.66,19.96 53.31,20.61 U201.13
Net-(D202-Pad2): length 2.5
  Top w0.25: D202.2 52.67,15.91 v1(53.89,15.91)
  Bottom w0.25: v1(53.89,15.91) 52.7,15.91 R215.2
Net-(D203-Pad1): length 6.4
  Top w0.25: D203.1 55.64,17.84 55.64,21.11 53.94,22.82 U201.14
Net-(D203-Pad2): length 2.5
  Top w0.25: v1(56.94,15.96) 56.9,15.92 D203.2
  Bottom w0.25: R216.2 56.93,15.95 v1(56.94,15.96)
Net-(J105-Pad2): length 52.7
  Top w0.5: v1(60.38,42.65) 60.39,42.65 v1(60.89,42.65) 62.96,42.65 64.27,41.34 J106.3 ; v1(16.77,39.99) v1(16.23,39.99) 16.16,39.99 15.77,40.38 J105.2
  Bottom w0.5: v1(16.23,39.99) v1(16.77,39.99) 19.89,43.11 41.76,43.11 42.22,42.65 v1(60.38,42.65) v1(60.89,42.65)
Net-(J201-PadA5): length 7.2
  Top w0.25: v1(38.84,19.54) 38.79,19.59 R219.1 ; 38.79,16.97 38.79,15.98 v1(38.26,15.45)
  In2.Cu w0.25: v1(38.26,15.45) 38.26,18.95 v1(38.84,19.54)
Net-(J201-PadB5): length 8
  Top w0.25: v1(46.72,13.93) 43.66,13.93 41.79,15.8 J201.B5
  Bottom w0.25: R218.1 47.96,13.93 v1(46.72,13.93)
Net-(Q201-Pad1): length 2
  Top w0.25: Q201.1 26.48,28.24 v1(27.05,28.24)
  Bottom w0.25: R206.1 27.05,28.08 v1(27.05,28.24)
Net-(Q202-Pad1): length 6.5
  Bottom w0.25: R214.2 20.89,24.92 Q202.1
Net-(Q202-Pad3): length 6.8
  Bottom w0.25: R203.2 R206.2 26.14,24.06 27.08,23.12 Q202.3
Net-(Q203-Pad1): length 2.5
  Top w0.25: v1(26.17,18.19) 26.17,19.21 Q203.1
  Bottom w0.25: v1(26.17,18.19) 26.58,17.78 R210.2
Net-(Q204-Pad1): length 2
  Bottom w0.25: Q204.1 37.03,46.89 R220.2
Net-(Q205-Pad1): length 9.5
  Top w0.25: Q205.1 39.43,24.4 v1(40.23,24.4)
  Bottom w0.25: v1(40.23,24.4) 40.93,23.7 47,23.7 R222.2
Net-(Q206-Pad1): length 5.2
  Top w0.25: Q206.1 42.05,26.28 46.55,26.28 46.72,26.45 R225.2
Net-(Q207-Pad1): length 3.4
  Top w0.25: R223.1 34.53,26.42 Q207.1
Net-(Q501-Pad1): length 2.8
  Top w0.25: Q501.1 24.25,38.12 U501.7
Net-(R201-Pad2): length 6.3
  Top w0.25: v1(49.05,17.74) 49.87,17.74 51.13,18.99 U201.9
  Bottom w0.25: R201.2 49.05,17.73 v1(49.05,17.74)
Net-(R211-Pad1): length 3
  Top w0.25: U201.15 54.39,23.32 R211.1
Net-(U701-Pad1): length 3.2
  Top w0.5: U701.1 48.05,56.23 Y701.2
Net-(U701-Pad2): length 3.7
  Top w0.5: U701.2 49.28,54.96 Y701.1

## Copper pours and planes (outline as drawn; the poured copper is in the pictures)
/Control Unit/3v3 power supply1/GND_{3V3} on Top: 35.61,41.03 32.83,41.03 32.83,31.53 28.32,31.53 28.32,29.91 17.08,29.91 17.08,33.03 16.08,33.03 16.08,56.03 35.61,56.03
/Control Unit/GND on Top, Bottom: 54,71.55 60.2,63.13 62.95,60.42 73.1,55.62 73.2,29.75 63.02,19.71 60.28,16.95 54.75,9.05 41.98,9.33 37.95,9.32 24.76,10.22 19.56,16.97 16.84,19.71 7.63,30.62 7.86,51.99 16.84,60.3 19.67,63.12 29.04,71.42
/Control Unit/VCC on In1.Cu: 53.99,71.56 60.19,63.14 62.94,60.43 73.09,55.63 73.19,29.76 63.01,19.72 60.27,16.96 54.74,9.06 41.97,9.34 37.94,9.33 24.75,10.23 19.55,16.98 16.83,19.72 7.62,30.63 7.85,52 16.83,60.31 19.66,63.13 29.03,71.43
/Control Unit/VCC_5V on Top: 25.68,31.61 25.68,33.22 27.81,33.21 27.81,29.25 26.03,29.25 26.03,27.8 18.94,27.81 18.94,29.13 24.94,29.12 24.94,31.61
/Control Unit/3v3 power supply1/CS on Top: 27.76,36.49 27.76,35.07 25.6,35.09 25.6,36.49 24.79,37.15 24.79,38.02 26.34,38.02
/Control Unit/3v3 power supply1/L_MOSSFET on Top: 30.08,40.08 31.59,40.08 31.59,36.25 26.66,36.25 26.66,40.48 21.13,40.48 21.13,44.85 30.08,44.85
/Control Unit/IS_USB on Top: 30.23,20.3 28.35,18.19 27.54,18.19 27.54,20.07 29.42,21.95 34.47,21.95 36.76,19.06 42.76,19.06 42.76,16.24 42.12,16.24 42.12,18.09 37.95,18.09 37.95,16.26 37.32,16.26 37.32,18.09 35.03,18.09 33.1,20.3
/Control Unit/IS_USB_CHARGE on Top: 27.95,21.19 27.44,20.68 27.44,20.33 26.78,20.33 26.78,24.03 27.95,24.03

## Text on the board
B.Silkscreen: 2023 | 8-DO_CHARGE / 9-SDA / 10-SCL / 11-SDA2/RXD / 12-SCL2/TXD / 13-VBUS / 14-M_SWITCH | 2-LED | 1-IMU_{INT} / 2-BAT_SENSE / 3-OXY_{IN} / 4-VCC / 5-GND / 6-BATT_{INT} / 7-FPV_{SM_A} | 1-BAT/USB / 3-DO_DEBUG
F.Silkscreen: 2023
